# KiCad board panel.kicad_pcb (continued)
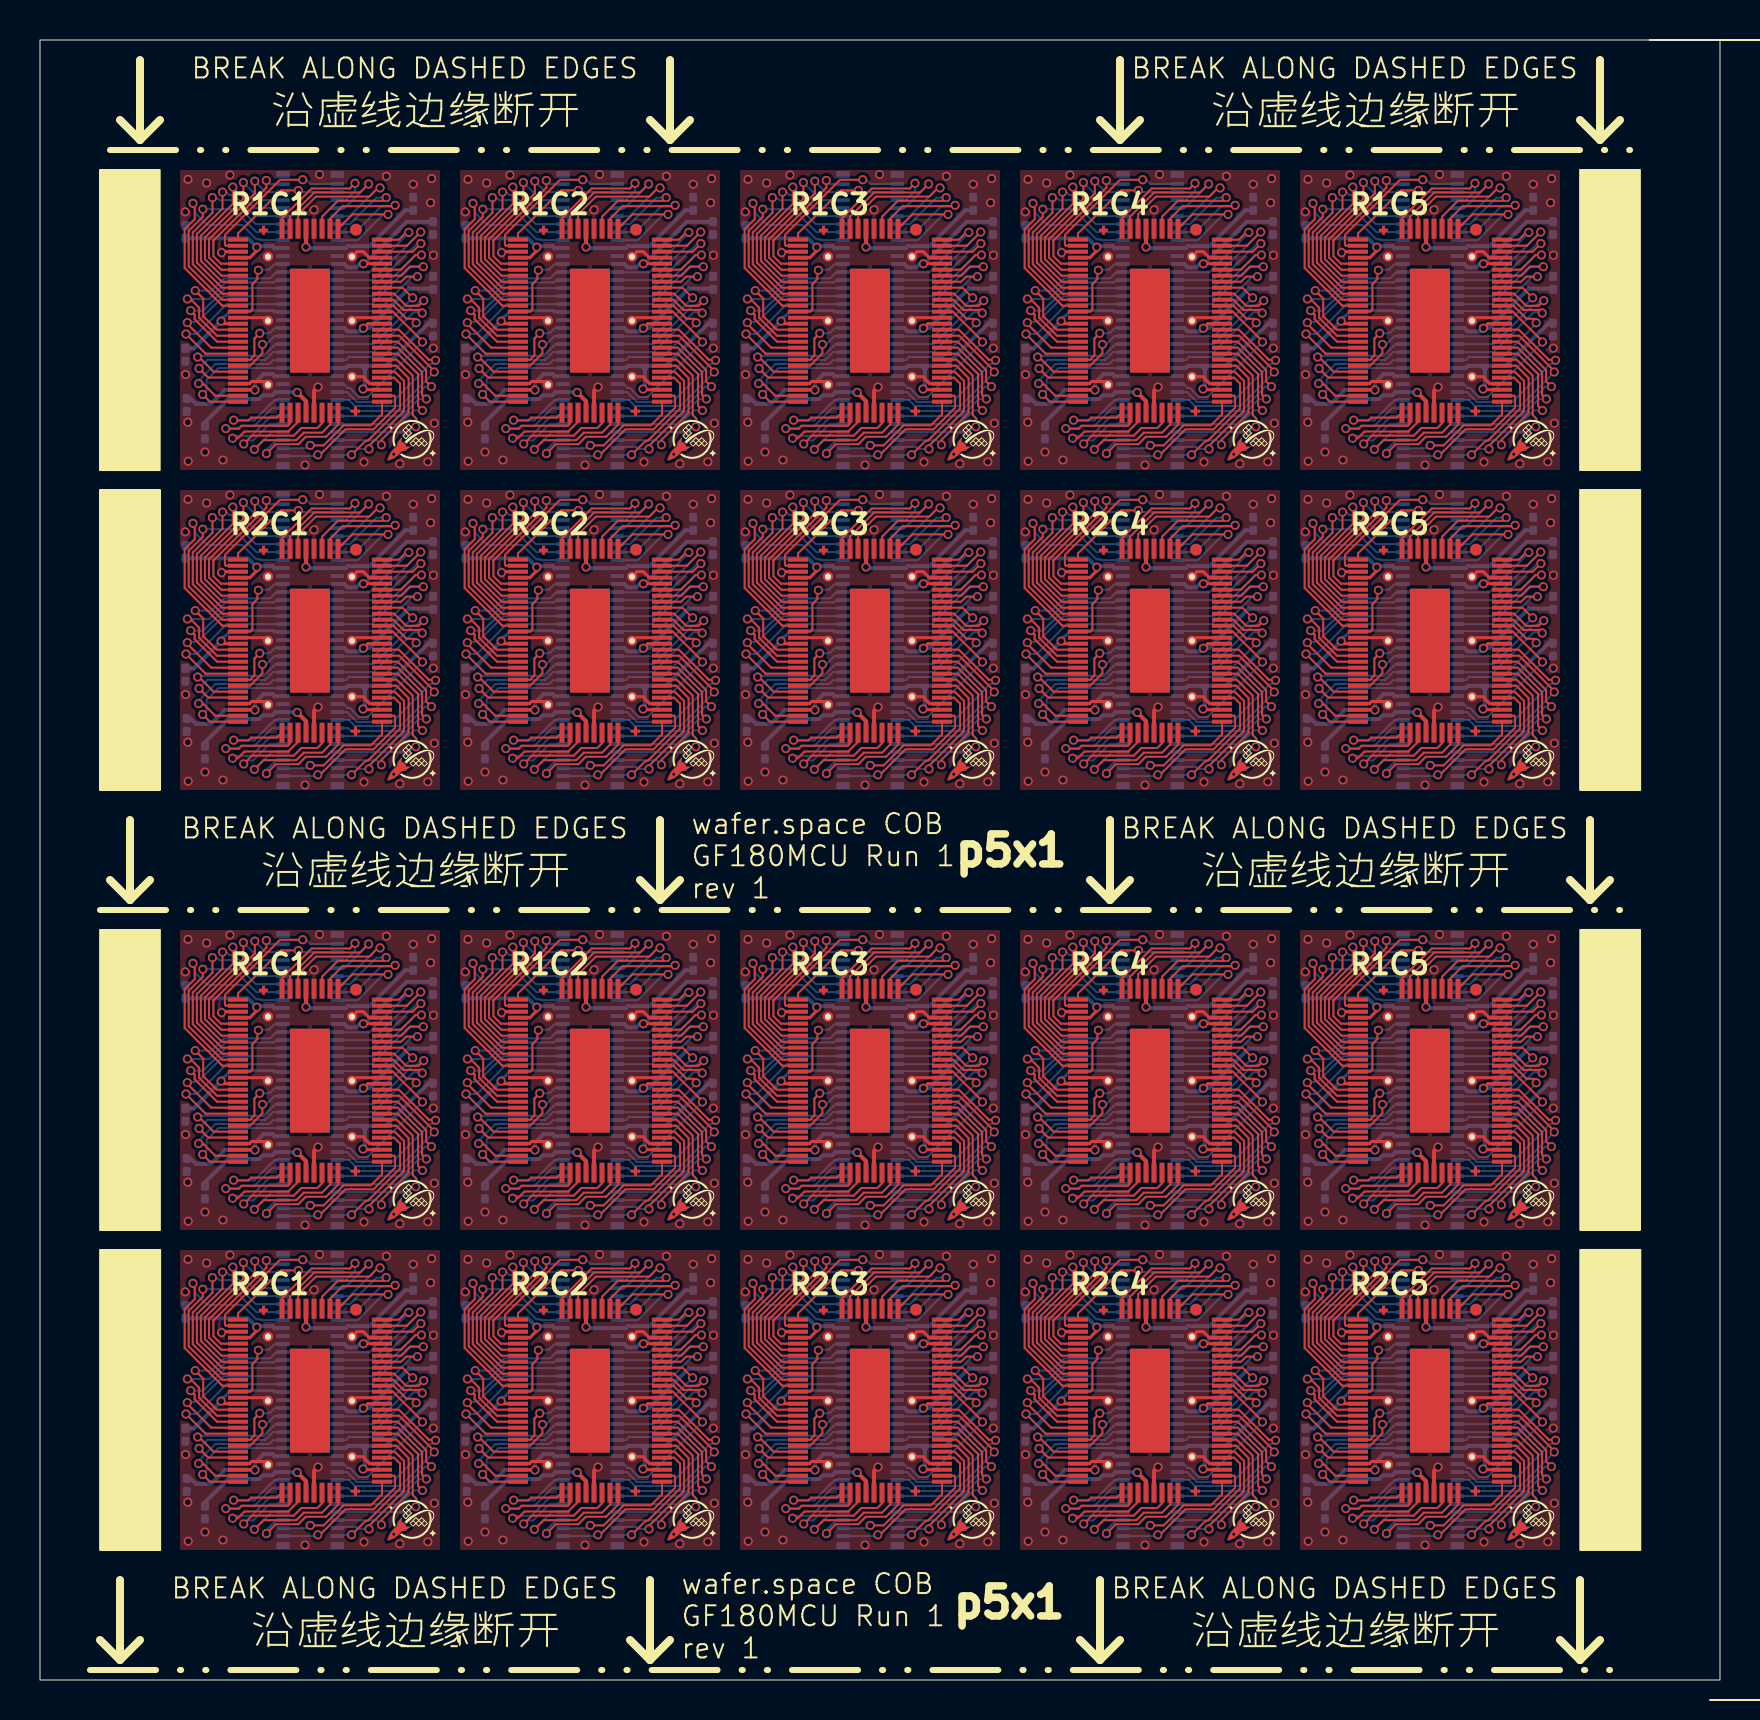
[diagram p0: board, top side]
## Routing (per net, layer and track width the routed paths; a pad name or vN(x,y) marks a point on that pad's centre or on a via; arc(x,y) is an arc through that point) (continued)
/bidir_34: length 137.1
  Top w0.1: v1(74.81,51.86) 74.81,51.95 74.7,52.06 74.33,52.06 73.67,52.72 U120#2.61 ; v1(60.81,51.86) 60.81,51.95 60.7,52.06 60.33,52.06 59.67,52.72 U118.61 ; v1(18.81,67.86) 18.81,67.95 18.7,68.06 18.33,68.06 17.67,68.72 U102#2.61 ; U118#2.61 59.67,14.72 60.33,14.06 60.7,14.06 60.81,13.95 v1(60.81,13.86) ; U114#2.61 31.67,14.72 32.33,14.06 32.7,14.06 32.81,13.95 v1(32.81,13.86) ; v1(60.81,67.86) 60.81,67.95 60.7,68.06 60.33,68.06 59.67,68.72 U108#2.61 ; v1(18.81,13.86) 18.81,13.95 18.7,14.06 18.33,14.06 17.67,14.72 U112#2.61 ; v1(18.81,51.86) 18.81,51.95 18.7,52.06 18.33,52.06 17.67,52.72 U112.61 ; U102.61 17.67,30.72 18.33,30.06 18.7,30.06 18.81,29.95 v1(18.81,29.86) ; U116#2.61 45.67,14.72 46.33,14.06 46.7,14.06 46.81,13.95 v1(46.81,13.86) ; v1(60.81,29.86) 60.81,29.95 60.7,30.06 60.33,30.06 59.67,30.72 U108.61 ; v1(46.81,29.86) 46.81,29.95 46.7,30.06 46.33,30.06 45.67,30.72 U106.61 ; U104.61 31.67,30.72 32.33,30.06 32.7,30.06 32.81,29.95 v1(32.81,29.86) ; U110#2.61 73.67,68.72 74.33,68.06 74.7,68.06 74.81,67.95 v1(74.81,67.86) ; U114.61 31.67,52.72 32.33,52.06 32.7,52.06 32.81,51.95 v1(32.81,51.86) ; v1(32.81,67.86) 32.81,67.95 32.7,68.06 32.33,68.06 31.67,68.72 U104#2.61 ; U116.61 45.67,52.72 46.33,52.06 46.7,52.06 46.81,51.95 v1(46.81,51.86) ; v1(74.81,29.86) 74.81,29.95 74.7,30.06 74.33,30.06 73.67,30.72 U110.61 ; U106#2.61 45.67,68.72 46.33,68.06 46.7,68.06 46.81,67.95 v1(46.81,67.86) ; v1(74.81,13.86) 74.81,13.95 74.7,14.06 74.33,14.06 73.67,14.72 U120.61
  Bottom w0.1: U105.23 43.29,28 43.45,28.15 45.14,28.15 46.81,29.82 v1(46.81,29.86) ; v1(74.81,29.86) 74.81,29.82 73.14,28.15 71.45,28.15 71.3,28 U109#2.23 ; U111.23 15.29,50 15.45,50.15 17.14,50.15 18.81,51.82 v1(18.81,51.86) ; U113.23 29.29,50 29.45,50.15 31.14,50.15 32.81,51.82 v1(32.81,51.86) ; v1(74.81,13.86) 74.81,13.82 73.14,12.15 71.45,12.15 71.3,12 U119.23 ; U103#2.23 29.29,66 29.45,66.15 31.14,66.15 32.81,67.82 v1(32.81,67.86) ; U119#2.23 71.3,50 71.45,50.15 73.14,50.15 74.81,51.82 v1(74.81,51.86) ; v1(46.81,13.86) 46.81,13.82 45.14,12.15 43.45,12.15 43.29,12 U115.23 ; U117.23 57.29,12 57.45,12.15 59.14,12.15 60.81,13.82 v1(60.81,13.86) ; U109.23 71.3,66 71.45,66.15 73.14,66.15 74.81,67.82 v1(74.81,67.86) ; U101.23 15.29,66 15.45,66.15 17.14,66.15 18.81,67.82 v1(18.81,67.86) ; v1(18.81,13.86) 18.81,13.82 17.14,12.15 15.45,12.15 15.29,12 U111#2.23 ; U115#2.23 43.29,50 43.45,50.15 45.14,50.15 46.81,51.82 v1(46.81,51.86) ; v1(46.81,67.86) 46.81,67.82 45.14,66.15 43.45,66.15 43.29,66 U105#2.23 ; U107.23 57.29,66 57.45,66.15 59.14,66.15 60.81,67.82 v1(60.81,67.86) ; v1(32.81,13.86) 32.81,13.82 31.14,12.15 29.45,12.15 29.29,12 U113#2.23 ; v1(18.81,29.86) 18.81,29.82 17.14,28.15 15.45,28.15 15.29,28 U101#2.23 ; U117#2.23 57.29,50 57.45,50.15 59.14,50.15 60.81,51.82 v1(60.81,51.86) ; U107#2.23 57.29,28 57.45,28.15 59.14,28.15 60.81,29.82 v1(60.81,29.86) ; v1(32.81,29.86) 32.81,29.82 31.14,28.15 29.45,28.15 29.29,28 U103.23
/bidir_35: length 151.2
  Top w0.1: v1(47.11,14.35) 47.19,14.42 47.19,14.47 47.15,14.51 47.02,14.51 47.01,14.51 46.23,14.51 46.22,14.51 46.17,14.51 45.66,15.02 U116#2.62 ; U116.62 45.66,53.02 46.17,52.51 46.22,52.51 46.23,52.51 47.01,52.51 47.02,52.51 47.15,52.51 47.19,52.47 47.19,52.42 v1(47.11,52.35) ; U110#2.62 73.66,69.02 74.17,68.51 74.22,68.51 74.23,68.51 75.01,68.51 75.02,68.51 75.15,68.51 75.19,68.47 75.19,68.42 v1(75.11,68.35) ; v1(75.11,14.35) 75.19,14.42 75.19,14.47 75.15,14.51 75.02,14.51 75.01,14.51 74.23,14.51 74.22,14.51 74.17,14.51 73.66,15.02 U120.62 ; U104.62 31.66,31.02 32.17,30.51 32.22,30.51 32.23,30.51 33.01,30.51 33.02,30.51 33.15,30.51 33.19,30.47 33.19,30.42 v1(33.11,30.35) ; v1(19.11,68.35) 19.19,68.42 19.19,68.47 19.15,68.51 19.02,68.51 19.01,68.51 18.23,68.51 18.22,68.51 18.17,68.51 17.66,69.02 U102#2.62 ; U102.62 17.66,31.02 18.17,30.51 18.22,30.51 18.23,30.51 19.01,30.51 19.02,30.51 19.15,30.51 19.19,30.47 19.19,30.42 v1(19.11,30.35) ; U112.62 17.66,53.02 18.17,52.51 18.22,52.51 18.23,52.51 19.01,52.51 19.02,52.51 19.15,52.51 19.19,52.47 19.19,52.42 v1(19.11,52.35) ; U104#2.62 31.66,69.02 32.17,68.51 32.22,68.51 32.23,68.51 33.01,68.51 33.02,68.51 33.15,68.51 33.19,68.47 33.19,68.42 v1(33.11,68.35) ; v1(33.11,52.35) 33.19,52.42 33.19,52.47 33.15,52.51 33.02,52.51 33.01,52.51 32.23,52.51 32.22,52.51 32.17,52.51 31.66,53.02 U114.62 ; U118#2.62 59.66,15.02 60.17,14.51 60.22,14.51 60.23,14.51 61.01,14.51 61.02,14.51 61.15,14.51 61.19,14.47 61.19,14.42 v1(61.11,14.35) ; U106#2.62 45.66,69.02 46.17,68.51 46.22,68.51 46.23,68.51 47.01,68.51 47.02,68.51 47.15,68.51 47.19,68.47 47.19,68.42 v1(47.11,68.35) ; U110.62 73.66,31.02 74.17,30.51 74.22,30.51 74.23,30.51 75.01,30.51 75.02,30.51 75.15,30.51 75.19,30.47 75.19,30.42 v1(75.11,30.35) ; U108#2.62 59.66,69.02 60.17,68.51 60.22,68.51 60.23,68.51 61.01,68.51 61.02,68.51 61.15,68.51 61.19,68.47 61.19,68.42 v1(61.11,68.35) ; v1(75.11,52.35) 75.19,52.42 75.19,52.47 75.15,52.51 75.02,52.51 75.01,52.51 74.23,52.51 74.22,52.51 74.17,52.51 73.66,53.02 U120#2.62 ; v1(61.11,52.35) 61.19,52.42 61.19,52.47 61.15,52.51 61.02,52.51 61.01,52.51 60.23,52.51 60.22,52.51 60.17,52.51 59.66,53.02 U118.62 ; U106.62 45.66,31.02 46.17,30.51 46.22,30.51 46.23,30.51 47.01,30.51 47.02,30.51 47.15,30.51 47.19,30.47 47.19,30.42 v1(47.11,30.35) ; U112#2.62 17.66,15.02 18.17,14.51 18.22,14.51 18.23,14.51 19.01,14.51 19.02,14.51 19.15,14.51 19.19,14.47 19.19,14.42 v1(19.11,14.35) ; U114#2.62 31.66,15.02 32.17,14.51 32.22,14.51 32.23,14.51 33.01,14.51 33.02,14.51 33.15,14.51 33.19,14.47 33.19,14.42 v1(33.11,14.35) ; U108.62 59.66,31.02 60.17,30.51 60.22,30.51 60.23,30.51 61.01,30.51 61.02,30.51 61.15,30.51 61.19,30.47 61.19,30.42 v1(61.11,30.35)
  Bottom w0.1: v1(61.11,14.35) 61.06,14.4 60.69,14.4 58.68,12.39 56.87,12.39 ; v1(33.11,52.35) 33.06,52.4 32.69,52.4 30.68,50.39 28.87,50.39 ; 42.87,12.39 44.68,12.39 46.69,14.4 47.06,14.4 v1(47.11,14.35) ; v1(75.11,30.35) 75.06,30.4 74.69,30.4 72.69,28.39 70.87,28.39 ; v1(47.11,52.35) 47.06,52.4 46.69,52.4 44.68,50.39 42.87,50.39 ; v1(19.11,52.35) 19.06,52.4 18.69,52.4 16.68,50.39 14.87,50.39 ; 14.87,12.39 16.68,12.39 18.69,14.4 19.06,14.4 v1(19.11,14.35) ; U101.22 16.68,66.4 18.69,68.4 19.06,68.4 v1(19.11,68.35) ; 28.87,12.39 30.68,12.39 32.69,14.4 33.06,14.4 v1(33.11,14.35) ; U109.22 72.69,66.4 74.69,68.4 75.06,68.4 v1(75.11,68.35) ; 14.87,28.39 16.68,28.39 18.69,30.4 19.06,30.4 v1(19.11,30.35) ; v1(61.11,68.35) 61.06,68.4 60.69,68.4 58.68,66.4 U107.22 ; 28.87,28.39 30.68,28.39 32.69,30.4 33.06,30.4 v1(33.11,30.35) ; 56.87,28.39 58.68,28.39 60.69,30.4 61.06,30.4 v1(61.11,30.35) ; U105#2.22 44.68,66.4 46.69,68.4 47.06,68.4 v1(47.11,68.35) ; 70.87,12.39 72.69,12.39 74.69,14.4 75.06,14.4 v1(75.11,14.35) ; v1(61.11,52.35) 61.06,52.4 60.69,52.4 58.68,50.39 56.87,50.39 ; U103#2.22 30.68,66.4 32.69,68.4 33.06,68.4 v1(33.11,68.35) ; v1(75.11,52.35) 75.06,52.4 74.69,52.4 72.69,50.39 70.87,50.39 ; 42.87,28.39 44.68,28.39 46.69,30.4 47.06,30.4 v1(47.11,30.35)
/bidir_36: length 153.6
  Top w0.1: v1(61.19,30.97) 60.93,30.71 60.31,30.71 59.71,31.31 U108.63 ; U102.63 17.71,31.31 18.31,30.71 18.93,30.71 v1(19.19,30.97) ; U120.63 73.71,15.31 74.31,14.71 74.93,14.71 v1(75.19,14.97) ; U118#2.63 59.71,15.31 60.31,14.71 60.93,14.71 v1(61.19,14.97) ; 31.1,69.31 31.71,69.31 32.31,68.71 32.93,68.71 v1(33.19,68.97) ; v1(33.19,30.97) 32.93,30.71 32.31,30.71 31.71,31.31 U104.63 ; U116.63 45.71,53.31 46.31,52.71 46.93,52.71 v1(47.19,52.97) ; 59.1,69.31 59.71,69.31 60.31,68.71 60.93,68.71 v1(61.19,68.97) ; v1(47.19,68.97) 46.93,68.71 46.31,68.71 45.71,69.31 45.1,69.31 ; U112.63 17.71,53.31 18.31,52.71 18.93,52.71 v1(19.19,52.97) ; 17.1,69.31 17.71,69.31 18.31,68.71 18.93,68.71 v1(19.19,68.97) ; v1(61.19,52.97) 60.93,52.71 60.31,52.71 59.71,53.31 U118.63 ; v1(19.19,14.97) 18.93,14.71 18.31,14.71 17.71,15.31 U112#2.63 ; v1(75.19,30.97) 74.93,30.71 74.31,30.71 73.71,31.31 U110.63 ; 73.1,69.31 73.71,69.31 74.31,68.71 74.93,68.71 v1(75.19,68.97) ; U106.63 45.71,31.31 46.31,30.71 46.93,30.71 v1(47.19,30.97) ; U114#2.63 31.71,15.31 32.31,14.71 32.93,14.71 v1(33.19,14.97) ; v1(75.19,52.97) 74.93,52.71 74.31,52.71 73.71,53.31 U120#2.63 ; v1(33.19,52.97) 32.93,52.71 32.31,52.71 31.71,53.31 U114.63 ; U116#2.63 45.71,15.31 46.31,14.71 46.93,14.71 v1(47.19,14.97)
  Bottom w0.1: U109#2.21 72.71,28.8 74.62,30.71 74.8,30.71 75.03,30.94 75.03,30.97 v1(75.19,30.97) ; v1(75.19,52.97) 75.03,52.97 75.03,52.94 74.8,52.71 74.62,52.71 72.71,50.8 U119#2.21 ; U115.21 44.71,12.8 46.62,14.71 46.8,14.71 47.03,14.94 47.03,14.97 v1(47.19,14.97) ; U117.21 58.71,12.8 60.62,14.71 60.8,14.71 61.03,14.94 61.03,14.97 v1(61.19,14.97) ; v1(19.19,14.97) 19.03,14.97 19.03,14.94 18.8,14.71 18.62,14.71 16.71,12.8 U111#2.21 ; v1(33.19,52.97) 33.03,52.97 33.03,52.94 32.8,52.71 32.62,52.71 30.71,50.8 U113.21 ; U105#2.21 44.71,66.8 46.62,68.71 46.8,68.71 47.03,68.94 47.03,68.97 v1(47.19,68.97) ; v1(61.19,68.97) 61.03,68.97 61.03,68.94 60.8,68.71 60.62,68.71 58.71,66.8 U107.21 ; U111.21 16.71,50.8 18.62,52.71 18.8,52.71 19.03,52.94 19.03,52.97 v1(19.19,52.97) ; U115#2.21 44.71,50.8 46.62,52.71 46.8,52.71 47.03,52.94 47.03,52.97 v1(47.19,52.97) ; v1(33.19,14.97) 33.03,14.97 33.03,14.94 32.8,14.71 32.62,14.71 30.71,12.8 U113#2.21 ; v1(33.19,30.97) 33.03,30.97 33.03,30.94 32.8,30.71 32.62,30.71 30.71,28.8 U103.21 ; U107#2.21 58.71,28.8 60.62,30.71 60.8,30.71 61.03,30.94 61.03,30.97 v1(61.19,30.97) ; U101#2.21 16.71,28.8 18.62,30.71 18.8,30.71 19.03,30.94 19.03,30.97 v1(19.19,30.97) ; v1(33.19,68.97) 33.03,68.97 33.03,68.94 32.8,68.71 32.62,68.71 30.71,66.8 U103#2.21 ; U117#2.21 58.71,50.8 60.62,52.71 60.8,52.71 61.03,52.94 61.03,52.97 v1(61.19,52.97) ; v1(47.19,30.97) 47.03,30.97 47.03,30.94 46.8,30.71 46.62,30.71 44.71,28.8 U105.21 ; v1(75.19,68.97) 75.03,68.97 75.03,68.94 74.8,68.71 74.62,68.71 72.71,66.8 U109.21 ; v1(75.19,14.97) 75.03,14.97 75.03,14.94 74.8,14.71 74.62,14.71 72.71,12.8 U119.21 ; v1(19.19,68.97) 19.03,68.97 19.03,68.94 18.8,68.71 18.62,68.71 16.71,66.8 U101.21
/bidir_37: length 126.2
  Top w0.1: 73.1,15.61 74.12,15.61 v1(74.63,15.11) ; 73.1,53.61 74.12,53.61 v1(74.63,53.11) ; v1(46.63,53.11) 46.12,53.61 45.1,53.61 ; v1(18.63,31.11) 18.12,31.61 17.1,31.61 ; U106#2.64 46.12,69.62 v1(46.63,69.11) ; v1(32.63,53.11) 32.12,53.61 31.1,53.61 ; v1(60.63,15.11) 60.12,15.61 59.1,15.61 ; 17.1,15.61 18.12,15.61 v1(18.63,15.11) ; 31.1,31.61 32.12,31.61 v1(32.63,31.11) ; v1(74.63,69.11) 74.12,69.62 U110#2.64 ; v1(18.63,69.11) 18.12,69.62 U102#2.64 ; 17.1,53.61 18.12,53.61 v1(18.63,53.11) ; 45.1,31.61 46.12,31.61 v1(46.63,31.11) ; 59.1,31.61 60.12,31.61 v1(60.63,31.11) ; v1(74.63,31.11) 74.12,31.61 73.1,31.61 ; 45.1,15.61 46.12,15.61 v1(46.63,15.11) ; v1(60.63,53.11) 60.12,53.61 59.1,53.61 ; U108#2.64 60.12,69.62 v1(60.63,69.11) ; U104#2.64 32.12,69.62 v1(32.63,69.11) ; v1(32.63,15.11) 32.12,15.61 31.1,15.61
  Bottom w0.1: v1(60.63,69.11) 58.7,67.18 56.88,67.18 U107.20 ; U113#2.20 28.88,13.18 30.7,13.18 v1(32.63,15.11) ; v1(46.63,31.11) 44.7,29.18 42.88,29.18 U105.20 ; v1(74.63,69.11) 72.7,67.18 70.88,67.18 U109.20 ; U103.20 28.88,29.18 30.7,29.18 v1(32.63,31.11) ; U105#2.20 42.88,67.18 44.7,67.18 v1(46.63,69.11) ; U101#2.20 14.88,29.18 16.7,29.18 v1(18.63,31.11) ; v1(74.63,53.11) 72.7,51.18 70.88,51.18 U119#2.20 ; U111.20 14.88,51.18 16.7,51.18 v1(18.63,53.11) ; v1(74.63,15.11) 72.7,13.18 70.88,13.18 U119.20 ; v1(18.63,69.11) 16.7,67.18 14.88,67.18 U101.20 ; v1(60.63,53.11) 58.7,51.18 56.88,51.18 U117#2.20 ; U103#2.20 28.88,67.18 30.7,67.18 v1(32.63,69.11) ; U111#2.20 14.88,13.18 16.7,13.18 v1(18.63,15.11) ; U109#2.20 70.88,29.18 72.7,29.18 v1(74.63,31.11) ; U115#2.20 42.88,51.18 44.7,51.18 v1(46.63,53.11) ; v1(60.63,31.11) 58.7,29.18 56.88,29.18 U107#2.20 ; U113.20 28.88,51.18 30.7,51.18 v1(32.63,53.11) ; v1(46.63,15.11) 44.7,13.18 42.88,13.18 U115.20 ; v1(60.63,15.11) 58.7,13.18 56.88,13.18 U117.20
/bidir_38: length 132.3
  Top w0.1: v1(60.87,70.17) 60.31,70.17 60.05,69.91 59.1,69.91 ; v1(32.87,16.17) 32.31,16.17 32.05,15.92 U114#2.65 ; U120.65 74.05,15.92 74.31,16.17 v1(74.87,16.17) ; U108.65 60.05,31.92 60.31,32.17 v1(60.87,32.17) ; U116#2.65 46.05,15.92 46.31,16.17 v1(46.87,16.17) ; U102.65 18.05,31.92 18.31,32.17 v1(18.87,32.17) ; v1(74.87,32.17) 74.31,32.17 74.05,31.92 U110.65 ; U120#2.65 74.05,53.92 74.31,54.17 v1(74.87,54.17) ; U114.65 32.05,53.92 32.31,54.17 v1(32.87,54.17) ; 73.1,69.91 74.05,69.91 74.31,70.17 v1(74.87,70.17) ; v1(60.87,54.17) 60.31,54.17 60.05,53.92 U118.65 ; v1(18.87,16.17) 18.31,16.17 18.05,15.92 U112#2.65 ; 31.1,69.91 32.05,69.91 32.31,70.17 v1(32.87,70.17) ; v1(46.87,54.17) 46.31,54.17 46.05,53.92 U116.65 ; v1(46.87,32.17) 46.31,32.17 46.05,31.92 U106.65 ; v1(46.87,70.17) 46.31,70.17 46.05,69.91 45.1,69.91 ; v1(60.87,16.17) 60.31,16.17 60.05,15.92 U118#2.65 ; 17.1,69.91 18.05,69.91 18.31,70.17 v1(18.87,70.17) ; v1(32.87,32.17) 32.31,32.17 32.05,31.92 U104.65 ; v1(18.87,54.17) 18.31,54.17 18.05,53.92 U112.65
  Bottom w0.1: 28.87,30.39 28.91,30.45 30.88,30.45 32.61,32.17 v1(32.87,32.17) ; 14.87,14.39 14.91,14.45 16.88,14.45 18.61,16.17 v1(18.87,16.17) ; v1(74.87,70.17) 74.61,70.17 72.89,68.44 70.92,68.44 U109.17 ; v1(18.87,32.17) 18.61,32.17 16.88,30.45 14.91,30.45 14.87,30.39 ; v1(18.87,70.17) 18.61,70.17 16.88,68.44 14.91,68.44 U101.17 ; U105#2.17 42.91,68.44 44.88,68.44 46.61,70.17 v1(46.87,70.17) ; v1(32.87,16.17) 32.61,16.17 30.88,14.45 28.91,14.45 28.87,14.39 ; U103#2.17 28.91,68.44 30.88,68.44 32.61,70.17 v1(32.87,70.17) ; 42.87,52.39 42.91,52.45 44.88,52.45 46.61,54.17 v1(46.87,54.17) ; 42.87,30.39 42.91,30.45 44.88,30.45 46.61,32.17 v1(46.87,32.17) ; v1(60.87,16.17) 60.61,16.17 58.88,14.45 56.91,14.45 56.87,14.39 ; 14.87,52.39 14.91,52.45 16.88,52.45 18.61,54.17 v1(18.87,54.17) ; 42.87,14.39 42.91,14.45 44.88,14.45 46.61,16.17 v1(46.87,16.17) ; U107.17 56.91,68.44 58.88,68.44 60.61,70.17 v1(60.87,70.17) ; v1(32.87,54.17) 32.61,54.17 30.88,52.45 28.91,52.45 28.87,52.39 ; v1(74.87,16.17) 74.61,16.17 72.89,14.45 70.92,14.45 70.87,14.39 ; v1(60.87,54.17) 60.61,54.17 58.88,52.45 56.91,52.45 56.87,52.39 ; v1(74.87,32.17) 74.61,32.17 72.89,30.45 70.92,30.45 70.87,30.39 ; v1(60.87,32.17) 60.61,32.17 58.88,30.45 56.91,30.45 56.87,30.39 ; v1(74.87,54.17) 74.61,54.17 72.89,52.45 70.92,52.45 70.87,52.39
/bidir_39: length 146.5
  Top w0.1: v1(47.16,32.66) 47.16,32.67 46.52,32.67 46.07,32.22 U106.66 ; v1(61.16,54.66) 61.16,54.67 60.52,54.67 60.07,54.22 U118.66 ; v1(75.16,16.66) 75.16,16.67 74.52,16.67 74.06,16.22 U120.66 ; v1(19.16,54.66) 19.16,54.67 18.52,54.67 18.07,54.22 U112.66 ; v1(33.16,54.66) 33.16,54.67 32.52,54.67 32.07,54.22 U114.66 ; U118#2.66 60.07,16.22 60.52,16.67 61.16,16.67 v1(61.16,16.66) ; v1(75.16,54.66) 75.16,54.67 74.52,54.67 74.06,54.22 U120#2.66 ; U106#2.66 46.07,70.22 46.52,70.67 47.16,70.67 v1(47.16,70.66) ; v1(33.16,32.66) 33.16,32.67 32.52,32.67 32.07,32.22 U104.66 ; U114#2.66 32.07,16.22 32.52,16.67 33.16,16.67 v1(33.16,16.66) ; v1(33.16,70.66) 33.16,70.67 32.52,70.67 32.07,70.22 U104#2.66 ; v1(47.16,54.66) 47.16,54.67 46.52,54.67 46.07,54.22 U116.66 ; U110#2.66 74.06,70.22 74.52,70.67 75.16,70.67 v1(75.16,70.66) ; v1(19.16,16.66) 19.16,16.67 18.52,16.67 18.07,16.22 U112#2.66 ; v1(19.16,32.66) 19.16,32.67 18.52,32.67 18.07,32.22 U102.66 ; U108#2.66 60.07,70.22 60.52,70.67 61.16,70.67 v1(61.16,70.66) ; U116#2.66 46.07,16.22 46.52,16.67 47.16,16.67 v1(47.16,16.66) ; U108.66 60.07,32.22 60.52,32.67 61.16,32.67 v1(61.16,32.66) ; v1(75.16,32.66) 75.16,32.67 74.52,32.67 74.06,32.22 U110.66 ; U102#2.66 18.07,70.22 18.52,70.67 19.16,70.67 v1(19.16,70.66)
  Bottom w0.1: U105.16 44.6,30.8 46.47,32.66 v1(47.16,32.66) ; U119#2.16 72.6,52.8 74.47,54.66 v1(75.16,54.66) ; v1(33.16,70.66) 32.47,70.66 30.6,68.8 U103#2.16 ; v1(75.16,32.66) 74.47,32.66 72.6,30.8 U109#2.16 ; U119.16 72.6,14.8 74.47,16.66 v1(75.16,16.66) ; v1(47.16,54.66) 46.47,54.66 44.6,52.8 U115#2.16 ; v1(75.16,70.66) 74.47,70.66 72.6,68.8 U109.16 ; U111#2.16 16.6,14.8 18.47,16.66 v1(19.16,16.66) ; U101.16 16.6,68.8 18.47,70.66 v1(19.16,70.66) ; U117#2.16 58.6,52.8 60.47,54.66 v1(61.16,54.66) ; U117.16 58.6,14.8 60.47,16.66 v1(61.16,16.66) ; v1(33.16,54.66) 32.47,54.66 30.6,52.8 U113.16 ; U107.16 58.6,68.8 60.47,70.66 v1(61.16,70.66) ; U107#2.16 58.6,30.8 60.47,32.66 v1(61.16,32.66) ; v1(33.16,16.66) 32.47,16.66 30.6,14.8 U113#2.16 ; U103.16 30.6,30.8 32.47,32.66 v1(33.16,32.66) ; v1(19.16,32.66) 18.47,32.66 16.6,30.8 U101#2.16 ; U115.16 44.6,14.8 46.47,16.66 v1(47.16,16.66) ; U105#2.16 44.6,68.8 46.47,70.66 v1(47.16,70.66) ; U111.16 16.6,52.8 18.47,54.66 v1(19.16,54.66)
/bidir_40: length 146.7
  Top w0.1: v1(75.07,33.25) 74.78,33.25 74.05,32.52 U110.67 ; U118.67 60.04,54.52 60.78,55.25 v1(61.07,55.25) ; U104#2.67 32.04,70.52 32.78,71.25 v1(33.07,71.25) ; v1(19.07,17.25) 18.78,17.25 18.04,16.52 U112#2.67 ; U108.67 60.04,32.52 60.78,33.25 v1(61.07,33.25) ; U110#2.67 74.05,70.52 74.78,71.25 v1(75.07,71.25) ; v1(47.07,33.25) 46.78,33.25 46.04,32.52 U106.67 ; U106#2.67 46.04,70.52 46.78,71.25 v1(47.07,71.25) ; v1(75.07,55.25) 74.78,55.25 74.05,54.52 U120#2.67 ; v1(47.07,17.25) 46.78,17.25 46.04,16.52 U116#2.67 ; U102#2.67 18.04,70.52 18.78,71.25 v1(19.07,71.25) ; U104.67 32.04,32.52 32.78,33.25 v1(33.07,33.25) ; U114#2.67 32.04,16.52 32.78,17.25 v1(33.07,17.25) ; v1(33.07,55.25) 32.78,55.25 32.04,54.52 U114.67 ; v1(19.07,33.25) 18.78,33.25 18.04,32.52 U102.67 ; v1(19.07,55.25) 18.78,55.25 18.04,54.52 U112.67 ; U120.67 74.05,16.52 74.78,17.25 v1(75.07,17.25) ; U116.67 46.04,54.52 46.78,55.25 v1(47.07,55.25) ; U118#2.67 60.04,16.52 60.78,17.25 v1(61.07,17.25) ; v1(61.07,71.25) 60.78,71.25 60.04,70.52 U108#2.67
  Bottom w0.1: U101#2.15 16.71,31.2 18.77,33.25 v1(19.07,33.25) ; U101.15 16.71,69.19 18.77,71.25 v1(19.07,71.25) ; U109#2.15 72.72,31.2 74.77,33.25 v1(75.07,33.25) ; v1(19.07,17.25) 18.77,17.25 16.71,15.2 U111#2.15 ; v1(75.07,71.25) 74.77,71.25 72.72,69.19 U109.15 ; U115.15 44.71,15.2 46.77,17.25 v1(47.07,17.25) ; v1(61.07,55.25) 60.77,55.25 58.71,53.2 U117#2.15 ; U105#2.15 44.71,69.19 46.77,71.25 v1(47.07,71.25) ; U113#2.15 30.71,15.2 32.77,17.25 v1(33.07,17.25) ; U119#2.15 72.72,53.2 74.77,55.25 v1(75.07,55.25) ; v1(47.07,55.25) 46.77,55.25 44.71,53.2 U115#2.15 ; v1(33.07,33.25) 32.77,33.25 30.71,31.2 U103.15 ; U119.15 72.72,15.2 74.77,17.25 v1(75.07,17.25) ; v1(33.07,71.25) 32.77,71.25 30.71,69.19 U103#2.15 ; v1(47.07,33.25) 46.77,33.25 44.71,31.2 U105.15 ; U107.15 58.71,69.19 60.77,71.25 v1(61.07,71.25) ; U117.15 58.71,15.2 60.77,17.25 v1(61.07,17.25) ; U113.15 30.71,53.2 32.77,55.25 v1(33.07,55.25) ; U107#2.15 58.71,31.2 60.77,33.25 v1(61.07,33.25) ; v1(19.07,55.25) 18.77,55.25 16.71,53.2 U111.15
/bidir_41: length 144.2
  Top w0.1: U120#2.70 74.63,55.42 v1(75.04,55.83) ; v1(19.04,55.83) 18.63,55.42 U112.70 ; U114#2.70 32.63,17.42 v1(33.04,17.83) ; v1(75.04,17.83) 74.63,17.42 U120.70 ; 59.1,71.41 60.63,71.41 v1(61.04,71.83) ; v1(75.04,33.83) 74.63,33.42 U110.70 ; v1(61.04,33.83) 60.63,33.42 U108.70 ; U118.70 60.63,55.42 v1(61.04,55.83) ; U106.70 46.63,33.42 v1(47.04,33.83) ; v1(33.04,33.83) 32.63,33.42 U104.70 ; U102.70 18.63,33.42 v1(19.04,33.83) ; v1(19.04,71.83) 18.63,71.41 17.1,71.41 ; U112#2.70 18.63,17.42 v1(19.04,17.83) ; U114.70 32.63,55.42 v1(33.04,55.83) ; 45.1,71.41 46.63,71.41 v1(47.04,71.83) ; v1(33.04,71.83) 32.63,71.41 31.1,71.41 ; v1(47.04,55.83) 46.63,55.42 U116.70 ; U118#2.70 60.63,17.42 v1(61.04,17.83) ; U116#2.70 46.63,17.42 v1(47.04,17.83) ; v1(75.04,71.83) 74.63,71.41 73.1,71.41
  Bottom w0.1: v1(33.04,33.83) 32.86,33.83 30.62,31.59 U103.14 ; U111.14 16.62,53.59 18.86,55.83 v1(19.04,55.83) ; U111#2.14 16.62,15.59 18.86,17.83 v1(19.04,17.83) ; v1(33.04,55.83) 32.86,55.83 30.62,53.59 U113.14 ; v1(33.04,17.83) 32.86,17.83 30.62,15.59 U113#2.14 ; v1(47.04,17.83) 46.86,17.83 44.62,15.59 U115.14 ; v1(47.04,33.83) 46.86,33.83 44.62,31.59 U105.14 ; v1(19.04,71.83) 18.86,71.83 16.62,69.59 U101.14 ; v1(61.04,17.83) 60.86,17.83 58.62,15.59 U117.14 ; v1(61.04,71.83) 60.86,71.83 58.62,69.59 U107.14 ; v1(47.04,71.83) 46.86,71.83 44.62,69.59 U105#2.14 ; v1(61.04,55.83) 60.86,55.83 58.62,53.59 U117#2.14 ; U115#2.14 44.62,53.59 46.86,55.83 v1(47.04,55.83) ; U109.14 72.62,69.59 74.86,71.83 v1(75.04,71.83) ; U119#2.14 72.62,53.59 74.86,55.83 v1(75.04,55.83) ; U107#2.14 58.62,31.59 60.86,33.83 v1(61.04,33.83) ; v1(75.04,17.83) 74.86,17.83 72.62,15.59 U119.14 ; U101#2.14 16.62,31.59 18.86,33.83 v1(19.04,33.83) ; U103#2.14 30.62,69.59 32.86,71.83 v1(33.04,71.83) ; v1(75.04,33.83) 74.86,33.83 72.62,31.59 U109#2.14
/bidir_42: length 147.7
  Top w0.1: v1(19.03,18.4) 19.03,18.4 18.35,17.72 U112#2.71 ; U116#2.71 46.35,17.72 47.03,18.4 v1(47.03,18.4) ; v1(61.03,56.4) 61.03,56.4 60.35,55.72 U118.71 ; v1(47.03,34.4) 47.03,34.4 46.35,33.72 U106.71 ; U114.71 32.35,55.72 33.03,56.4 v1(33.03,56.4) ; v1(33.03,34.4) 33.03,34.4 32.35,33.72 U104.71 ; v1(33.03,18.4) 33.03,18.4 32.35,17.72 U114#2.71 ; U104#2.71 32.35,71.72 33.03,72.4 v1(33.03,72.4) ; U102#2.71 18.35,71.72 19.03,72.4 v1(19.03,72.4) ; v1(47.03,72.4) 47.03,72.4 46.35,71.72 U106#2.71 ; v1(19.03,34.4) 19.03,34.4 18.35,33.72 U102.71 ; U118#2.71 60.35,17.72 61.03,18.4 v1(61.03,18.4) ; v1(75.03,72.4) 75.03,72.4 74.34,71.72 U110#2.71 ; v1(19.03,56.4) 19.03,56.4 18.35,55.72 U112.71 ; U120#2.71 74.34,55.72 75.03,56.4 v1(75.03,56.4) ; U116.71 46.35,55.72 47.03,56.4 v1(47.03,56.4) ; U120.71 74.34,17.72 75.03,18.4 v1(75.03,18.4) ; U108#2.71 60.35,71.72 61.03,72.4 v1(61.03,72.4) ; v1(61.03,34.4) 61.03,34.4 60.35,33.72 U108.71 ; U110.71 74.34,33.72 75.03,34.4 v1(75.03,34.4)
  Bottom w0.1: U111.13 16.62,54 19.03,56.4 v1(19.03,56.4) ; U105#2.13 44.62,70 47.03,72.4 v1(47.03,72.4) ; U111#2.13 16.62,16 19.03,18.4 v1(19.03,18.4) ; U115#2.13 44.62,54 47.03,56.4 v1(47.03,56.4) ; U119.13 72.62,16 75.03,18.4 v1(75.03,18.4) ; v1(33.03,56.4) 33.03,56.4 30.62,54 U113.13 ; U109.13 72.62,70 75.03,72.4 v1(75.03,72.4) ; U101#2.13 16.62,32 19.03,34.4 v1(19.03,34.4) ; v1(61.03,18.4) 61.03,18.4 58.62,16 U117.13 ; U115.13 44.62,16 47.03,18.4 v1(47.03,18.4) ; v1(61.03,72.4) 61.03,72.4 58.62,70 U107.13 ; v1(33.03,72.4) 33.03,72.4 30.62,70 U103#2.13 ; v1(19.03,72.4) 19.03,72.4 16.62,70 U101.13 ; U117#2.13 58.62,54 61.03,56.4 v1(61.03,56.4) ; U103.13 30.62,32 33.03,34.4 v1(33.03,34.4) ; v1(61.03,34.4) 61.03,34.4 58.62,32 U107#2.13 ; U119#2.13 72.62,54 75.03,56.4 v1(75.03,56.4) ; v1(75.03,34.4) 75.03,34.4 72.62,32 U109#2.13 ; U105.13 44.62,32 47.03,34.4 v1(47.03,34.4) ; v1(33.03,18.4) 33.03,18.4 30.62,16 U113#2.13
/bidir_43: length 118.2
  Top w0.1: v1(60.44,56.38) 60.31,56.38 59.95,56.02 U118.72 ; U114#2.72 31.95,18.02 32.31,18.38 v1(32.44,18.38) ; v1(46.44,56.38) 46.31,56.38 45.95,56.02 U116.72 ; U114.72 31.95,56.02 32.31,56.38 v1(32.44,56.38) ; U112#2.72 17.95,18.02 18.31,18.38 v1(18.44,18.38) ; U104#2.72 31.95,72.02 32.31,72.38 v1(32.44,72.38) ; U108#2.72 59.95,72.02 60.31,72.38 v1(60.44,72.38) ; U116#2.72 45.95,18.02 46.31,18.38 v1(46.44,18.38) ; U106#2.72 45.95,72.02 46.31,72.38 v1(46.44,72.38) ; U102.72 17.95,34.02 18.31,34.38 v1(18.44,34.38) ; U120#2.72 73.94,56.02 74.31,56.38 v1(74.44,56.38) ; v1(18.44,72.38) 18.31,72.38 17.95,72.02 U102#2.72 ; v1(74.44,34.38) 74.31,34.38 73.94,34.02 U110.72 ; v1(32.44,34.38) 32.31,34.38 31.95,34.02 U104.72 ; v1(74.44,72.38) 74.31,72.38 73.94,72.02 U110#2.72 ; v1(60.44,34.38) 60.31,34.38 59.95,34.02 U108.72 ; U120.72 73.94,18.02 74.31,18.38 v1(74.44,18.38) ; v1(46.44,34.38) 46.31,34.38 45.95,34.02 U106.72 ; U112.72 17.95,56.02 18.31,56.38 v1(18.44,56.38) ; U118#2.72 59.95,18.02 60.31,18.38 v1(60.44,18.38)
  Bottom w0.1: v1(18.44,18.38) 18.44,18.36 16.46,16.38 14.88,16.38 14.87,16.39 ; v1(74.44,18.38) 74.44,18.36 72.46,16.38 70.88,16.38 70.87,16.39 ; 70.87,54.39 70.88,54.38 72.46,54.38 74.44,56.36 v1(74.44,56.38) ; 28.87,54.39 28.88,54.38 30.46,54.38 32.44,56.36 v1(32.44,56.38) ; 56.87,16.39 56.88,16.38 58.46,16.38 60.44,18.36 v1(60.44,18.38) ; U109.12 70.88,70.38 72.46,70.38 74.44,72.36 v1(74.44,72.38) ; 42.87,32.39 42.88,32.38 44.46,32.38 46.44,34.36 v1(46.44,34.38) ; v1(60.44,34.38) 60.44,34.36 58.46,32.38 56.88,32.38 56.87,32.39 ; v1(60.44,56.38) 60.44,56.36 58.46,54.38 56.88,54.38 56.87,54.39 ; 70.87,32.39 70.88,32.38 72.46,32.38 74.44,34.36 v1(74.44,34.38) ; 14.87,32.39 14.88,32.38 16.46,32.38 18.44,34.36 v1(18.44,34.38) ; 28.87,32.39 28.88,32.38 30.46,32.38 32.44,34.36 v1(32.44,34.38) ; v1(32.44,18.38) 32.44,18.36 30.46,16.38 28.88,16.38 28.87,16.39 ; v1(46.44,72.38) 46.44,72.36 44.46,70.38 42.88,70.38 U105#2.12 ; v1(46.44,18.38) 46.44,18.36 44.46,16.38 42.88,16.38 42.87,16.39 ; 14.87,54.39 14.88,54.38 16.46,54.38 18.44,56.36 v1(18.44,56.38) ; v1(18.44,72.38) 18.44,72.36 16.46,70.38 14.88,70.38 U101.12 ; v1(32.44,72.38) 32.44,72.36 30.46,70.38 28.88,70.38 U103#2.12 ; v1(46.44,56.38) 46.44,56.36 44.46,54.38 42.88,54.38 42.87,54.39 ; v1(60.44,72.38) 60.44,72.36 58.46,70.38 56.88,70.38 U107.12
